# Altium PCB WunderBar_v102b _flip.PcbDoc (part 2 of 7) (continued)
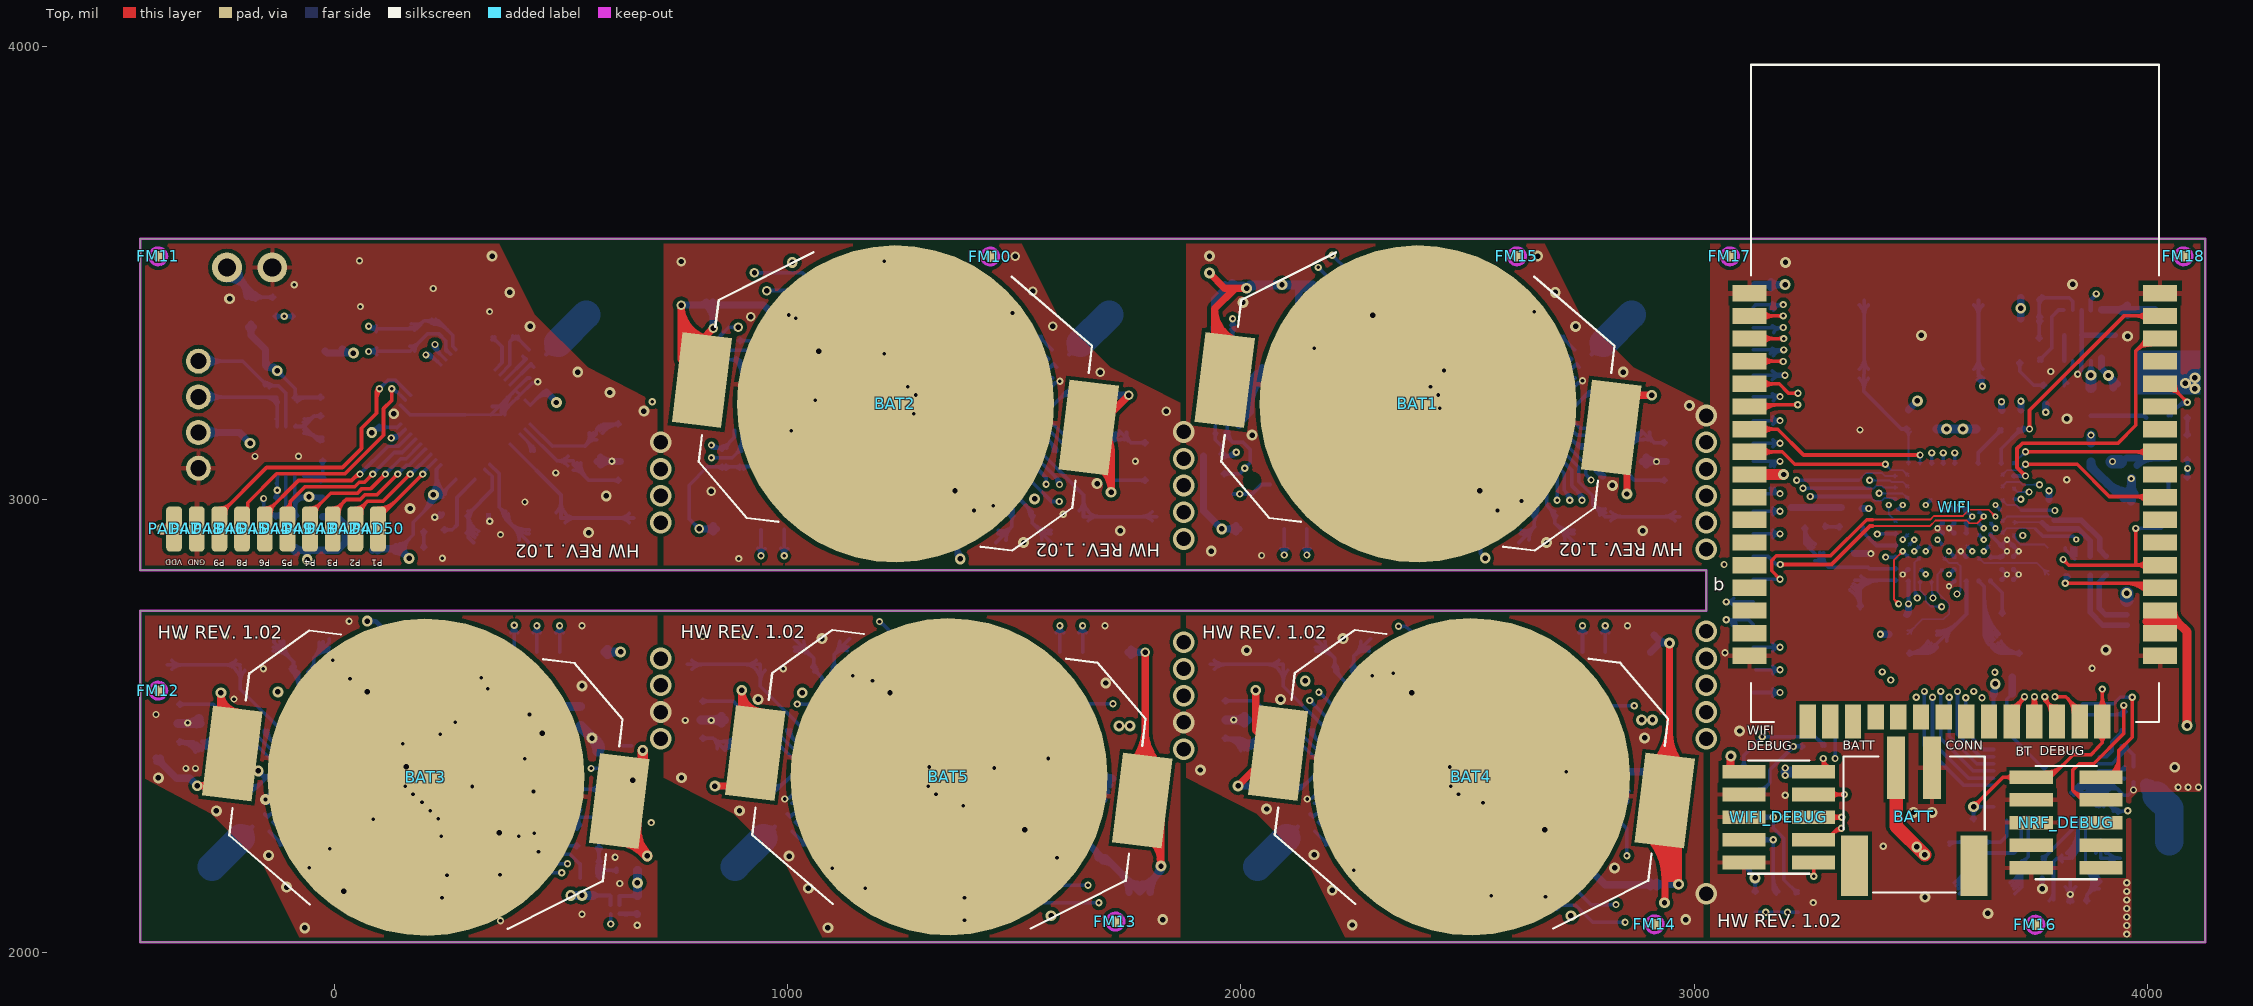
[diagram p0: Top view]
## Nets (pads, with @x,y where several pads share a name; then routed paths per layer and width w, separated by ;. In a path a pad name is that pad's centre, name@x,y a point inside that pad or via, vN(x,y) a via of type N, cw(c..) or ccw(c..) an arc to the next point about the centre after c; other vN are vias at no path point) (continued)
  Bottom w4: U1.H10@3472.86,2898.84 v3(3485.66,2911.63) ; U1.H10@3472.86,2903.84 ccw(c3472.86,2915.91) 3481.39,2907.38 ccw(c3489.93,2898.84) U1.H10@3477.86,2898.84 ; U1.H10@3475.21,2903.81 ccw(c3469.65,2913.43) v3@3480.69,2912.19 ; U1.H10@3477.1,2903.08 cw(c3485.66,2894.52) v3@3485.66,2906.63 ; U1.H10@3477.14,2903.12 ccw(c3468.63,2911.63) v3@3480.66,2911.63 ; U1.H10@3477.81,2901.18 cw(c3487.42,2895.64) v3@3486.21,2906.66 ; 3479.22,2906.12 cw(c3482.61,2900.24) v3@3484.37,2906.8 ; 3480.16,2905.25 ccw(c3474.35,2908.6) v3@3480.83,2910.34
  Bottom w8: v1@3505.17,2574.17 cw(c3498.34,2567.34) 3508,2567.34 cw(c3517.66,2567.34) v1@3510.83,2574.17 ; v1(3508,2577) 3508,2457 3595.52,2369.48 BT.4@3660.38,2369.48
BT_SPI_MOSI: BT.5 U1.J10 | length 809.3
  Top w4: v1@3445,2770.1 ccw(c3431.34,2770.34) 3441,2780 ; v1@3450.9,2776 cw(c3450.66,2789.66) 3441,2780 ; v1(3451,2770) 3441,2780 ; v3@3455.01,2886.12 cw(c3442.94,2886.12) 3451.48,2877.58 cw(c3460.01,2869.05) v3@3460.01,2881.12 ; v3(3460.01,2886.12) 3441,2867.11 3441,2780
  Route2 w8: v1(3451,2770) 3451,2764 3526,2689 v1(3526,2564) ; v1@3455,2770 ccw(c3479.14,2770) 3462.07,2752.93 ; v1@3523.17,2566.83 ccw(c3516.34,2573.66) 3526,2573.66 ccw(c3535.66,2573.66) v1@3528.83,2566.83
  Bottom w4: v3@3459.44,2881.15 cw(c3458.13,2869.96) U1.J10@3467.89,2875.59 ; v3@3460.01,2881.12 cw(c3460.01,2869.1) U1.J10@3468.51,2877.6 ; v3(3460.01,2886.12) U1.J10@3472.86,2873.24 ; v3@3461.31,2881.29 cw(c3463.01,2874.93) 3466.3,2880.63 ; v3@3464.31,2881.8 cw(c3455.74,2873.24) U1.J10@3467.86,2873.24 ; v3@3464.35,2881.76 ccw(c3472.86,2890.26) U1.J10@3472.86,2878.24 ; v3@3464.84,2884.83 ccw(c3471.36,2883.08) 3465.52,2879.71 ; v3@3465.01,2886.12 ccw(c3477.14,2886.12) U1.J10@3468.57,2877.54 ; v3@3464.98,2886.68 ccw(c3476.18,2887.94) U1.J10@3470.55,2878.18
  Bottom w8: v1@3523.17,2561.17 cw(c3516.34,2554.34) 3526,2554.34 cw(c3535.66,2554.34) v1@3528.83,2561.17 ; v1(3526,2564) 3526,2465 3605.52,2385.48 BT.5@3660.38,2385.48
BT_SPI_SCK: BT.9 U1.L9 | length 586
  Route2 w8: v1@3542,2764 ccw(c3554.07,2764) 3545.54,2755.46 ; v1@3543.32,2761.03 cw(c3537.88,2755) 3546,2755 ; v1(3546,2764) 3546,2755 ; v1@3548.68,2761.03 ccw(c3554.12,2755) 3546,2755 ; v1@3550,2764 ccw(c3581.38,2764) 3559.19,2741.81 ; v1@3596.17,2565.84 ccw(c3589.34,2572.67) 3599,2572.67 ccw(c3608.66,2572.67) v1@3601.83,2565.84 ; v1(3599,2563.01) 3599,2702 3546,2755
  Bottom w4: U1.L9@3494.92,2818.54 cw(c3486.38,2810) 3498.45,2810 cw(c3510.53,2810) U1.L9@3501.99,2818.54 ; U1.L9@3498.45,2822.07 3498.45,2799.55 3511,2787 3511,2776 3523,2764 v1(3546,2764) ; v1@3541.76,2759.76 ccw(c3531.51,2749.51) 3531.51,2764 ccw(c3531.51,2778.49) v1@3541.76,2768.24
  Bottom w8: v1@3596.17,2560.18 cw(c3589.34,2553.35) 3599,2553.35 cw(c3608.66,2553.35) v1@3601.83,2560.18 ; v1(3599,2563.01) 3599,2489 3639.15,2448.85 BT.9@3660.38,2448.85
BT_SPI_SSEL: BT.7 U1.K9 | length 636.7
  Route2 w4: v3@3507.27,2831.82 cw(c3498.26,2822.81) 3511,2822.81 ; 3511,2774 v3@3511,2835.1 ; 3511,2823.76 cw(c3522.4,2823.76) v3@3514.34,2831.82
  Route2 w8: 3511,2774 3511,2744.33 3562.77,2692.57 v1(3562.77,2564) ; v1@3559.94,2566.83 ccw(c3553.11,2573.66) 3562.77,2573.66 ccw(c3572.42,2573.66) v1@3565.59,2566.83
  Bottom w4: U1.K9@3498.45,2842.65 cw(c3498.45,2830.57) 3506.99,2839.11 cw(c3515.53,2847.65) U1.K9@3503.45,2847.65 ; U1.K9@3498.45,2847.65 v3@3511,2835.1 ; U1.K9@3500.91,2842.62 cw(c3495.95,2834.04) v3@3505.82,2834.92 ; U1.K9@3502.16,2843.94 ccw(c3510.8,2852.58) v3@3510.8,2840.36 ; U1.K9@3502.31,2843.79 cw(c3493.88,2835.36) v3@3505.8,2835.36 ; U1.K9@3503.45,2845.23 ccw(c3511.98,2850.16) v3@3511.2,2840.34 ; 3503.83,2840.93 ccw(c3507.57,2847.42) v3@3509.51,2840.19 ; 3505.26,2842.12 cw(c3499.02,2838.52) v3@3505.97,2836.65
  Bottom w8: v1@3559.94,2561.17 cw(c3553.11,2554.34) 3562.77,2554.34 cw(c3572.42,2554.34) v1@3565.59,2561.17 ; v1(3562.77,2564) 3562.77,2478.23 3623.65,2417.35 BT.7@3660.38,2417.35
  other v3: 3510.8,2835.36
BT_SWDCLK: BT1.24 BT2.24 BT3.24 BT4.24 BT5.24 BT6.24 BT.24 DEBUG1.4 DEBUG2.4 DEBUG3.4 DEBUG4.4 DEBUG5.4 DEBUG6.4 NRF_DEBUG.4 R31.2 R32.2 R33.2 R34.2 R35.2 R36.2 R37.2 U1.D8 | length 17017.4
  Top w8: 3847.4,2346.6 ccw(c3862.5,2361.71) NRF_DEBUG.4@3864.71,2340.46 ; NRF_DEBUG.4@3861.52,2337.48 3860.52,2338.48 3855.52,2338.48 3835.52,2358.48 ; NRF_DEBUG.4@3863.88,2348.42 cw(c3860.26,2383.22) 3835.52,2358.48 ; v1@3945.17,2543.17 cw(c3938.34,2536.34) 3948,2536.34 cw(c3957.66,2536.34) v1@3950.83,2543.17 ; v1(3948,2546) 3948,2484 3881.48,2417.48 3849.52,2417.48 3835.52,2403.48 3835.52,2358.48
  Route2 w4: 3391,2815 3445.11,2869.11 3445.11,2922.29 v3(3511.23,2988.41) ; v3@3506.23,2988.41 cw(c3494.16,2988.41) 3502.7,2979.88 cw(c3511.23,2971.34) v3@3511.23,2983.41
  Route2 w8: v4(3026.52,2531.48) 3079.52,2531.48 3107.52,2559.48 3107.52,2815.48 v1(3066,2857) ; v4@3032.53,2525.47 cw(c3047.04,2510.96) 3047.04,2531.48 cw(c3047.04,2552) v4@3032.53,2537.49 ; v4@3038.19,2519.81 cw(c3066.35,2491.65) 3066.35,2531.48 cw(c3066.35,2571.31) v4@3038.19,2543.15 ; v1@3066,2853 cw(c3066,2843.34) 3072.83,2850.17 cw(c3079.66,2857) v1@3070,2857 ; 3391,2815 3391,2698 3415,2674 v1(3415,2620) ; v1@3412.17,2622.83 ccw(c3405.34,2629.66) 3415,2629.66 ccw(c3424.66,2629.66) v1@3417.83,2622.83
  Route15 w8: v1(75,3382.48) 94.52,3402 269,3402 662.52,3008.48 v4(719.52,3008.48) v4@741.52,3008.48 ; v1@75,3386.48 ccw(c75,3396.14) 81.83,3389.31 ccw(c88.66,3382.48) v1@79,3382.48 ; v1(501,2177) 521,2177 615,2271 615,2507.96 v4@697.52,2590.48 ; v1@503.83,2174.17 cw(c510.66,2167.34) 510.66,2177 cw(c510.66,2186.66) v1@503.83,2179.83 ; 653.8,2546.76 cw(c719.52,2481.03) v4@719.52,2573.98 ; 667.45,2560.41 cw(c719.52,2508.35) v4@719.52,2581.98 ; 681.11,2574.07 cw(c719.52,2535.66) v4@719.52,2589.98 ; 694.77,2587.73 cw(c719.52,2562.97) v4@719.52,2597.98 ; v4@703.68,2585.86 ccw(c697.52,2584.06) v4@697.52,2590.48 ; v4@703.68,2595.1 cw(c697.52,2596.9) v4@697.52,2590.48 ; v4@707.85,2996.81 ccw(c679.69,2968.65) 679.69,3008.48 ccw(c679.69,3048.31) v4@707.85,3020.15 ; v4@713.51,3002.47 ccw(c699,2987.96) 699,3008.48 ccw(c699,3029) v4@713.51,3014.49 ; v4@719.03,3001 ccw(c721.08,3032.06) v4@743.09,3010.05 ; v4@719.55,3008.98 ccw(c722.62,3055.46) 755.56,3022.52 ; v4@720.08,3016.96 ccw(c724.17,3078.87) 768.04,3035 ; v4@720.61,3024.94 ccw(c725.71,3102.28) 780.52,3047.48 ; v4@725.53,2584.47 cw(c740.04,2569.96) 740.04,2590.48 cw(c740.04,2611) v4@725.53,2596.49 ; v4@731.19,2578.81 cw(c759.35,2550.65) 759.35,2590.48 cw(c759.35,2630.31) v4@731.19,2602.15 ; v4@735.36,3003.86 cw(c741.52,3002.06) v4@741.52,3008.48 ; v4@735.36,3013.1 ccw(c741.52,3014.9) v4@741.52,3008.48 ; v6@921.92,3495.88 ccw(c910.83,3484.79) 910.83,3500.48 ccw(c910.83,3516.17) v6@921.92,3505.08 ; v6@931.12,3495.88 cw(c942.21,3484.79) 942.21,3500.48 cw(c942.21,3516.17) v6@931.12,3505.08 ; v1@1683.69,2107.65 ccw(c1676.86,2100.82) 1676.86,2110.48 ccw(c1676.86,2120.14) v1@1683.69,2113.31 ; v1@1686.52,2114.48 ccw(c1686.52,2124.14) 1693.35,2117.31 ccw(c1700.18,2110.48) v1@1690.52,2110.48 ; 1831.36,2547.32 cw(c1862.39,2516.3) v4@1871.71,2559.17 ; 1841.72,2557.68 cw(c1866.09,2533.32) v4@1873.41,2566.99 ; v4@1852.09,2568.05 cw(c1869.79,2550.34) v4@1875.11,2574.81 ; v4@1857.68,2562.86 ccw(c1851.52,2561.06) v4@1851.52,2567.48 ; v4@1857.68,2572.1 cw(c1851.52,2573.9) v4@1851.52,2567.48 ; v4@1861.85,3019.81 ccw(c1833.69,2991.65) 1833.69,3031.48 ccw(c1833.69,3071.31) v4@1861.85,3043.15 ; v4@1867.51,3025.47 ccw(c1853,3010.96) 1853,3031.48 ccw(c1853,3052) v4@1867.51,3037.49 ; v4@1870.01,2551.36 ccw(c1858.69,2499.27) 1821,2536.96 ; v4@1873.65,3031.96 ccw(c1881.43,3061.27) 1902.87,3039.83 ; v4@1875.7,3039.7 ccw(c1885.55,3076.8) 1912.69,3049.65 ; v4@1877.75,3047.43 ccw(c1889.67,3092.33) 1922.52,3059.48 ; v4@1879.53,2561.47 cw(c1894.04,2546.96) 1894.04,2567.48 cw(c1894.04,2588) v4@1879.53,2573.49 ; v4@1885.19,2555.81 cw(c1913.35,2527.65) 1913.35,2567.48 cw(c1913.35,2607.31) v4@1885.19,2579.15 ; v4@1889.55,3027.58 cw(c1894.52,3026.37) v4@1894.52,3031.48 ; v4@1889.55,3035.38 ccw(c1894.52,3036.59) v4@1894.52,3031.48 ; v1@2198.69,3536.65 ccw(c2191.86,3529.82) 2191.86,3539.48 ccw(c2191.86,3549.14) v1@2198.69,3542.31 ; v1@2204.35,3536.65 cw(c2211.18,3529.82) 2211.18,3539.48 cw(c2211.18,3549.14) v1@2204.35,3542.31 ; v1@2844.69,2064.65 ccw(c2837.86,2057.82) 2837.86,2067.48 ccw(c2837.86,2077.14) 2844.69,2070.31 ccw(c2828.21,2086.79) 2851.52,2086.79 ; 2968.63,3060 ccw(c2968.63,3125.37) v4@3014.85,3079.15 ; 2987.94,3060 ccw(c2987.94,3106.06) v4@3020.51,3073.49 ; 2990.37,2517.33 cw(c3011.46,2496.23) v4@3023.18,2523.66 ; 2998.73,2525.69 cw(c3016.47,2507.96) v4@3026.32,2531.02 ; v4@3004.74,3060 cw(c3004.74,3045.7) v4@3014.85,3055.81 ; v4@3007.25,3060 ccw(c3007.25,3086.75) v4@3026.17,3067.83 ; v4@3010.68,2526.86 ccw(c3004.52,2525.06) v4@3004.52,2531.48 ; v4@3010.68,2536.1 cw(c3004.52,2537.9) v4@3004.52,2531.48 ; v4@3020.04,2516.31 ccw(c3006.45,2484.51) 2982,2508.96 ; v4(3026.52,3067.48) 3019.04,3060 2906,3060 2426.52,3539.48 v1(2201.52,3539.48) 2004.52,3539.48 1922.52,3457.48 1922.52,3059.48 ; v4@3028.36,3059.18 cw(c3034.77,3030.29) 3055.69,3051.22 ; v4@3030.09,3051.37 cw(c3038.51,3013.42) 3066,3040.91 ; v4@3032.53,2525.47 cw(c3047.04,2510.96) 3047.04,2531.48 cw(c3047.04,2552) v4@3032.53,2537.49 ; v4@3038.19,2519.81 cw(c3066.35,2491.65) 3066.35,2531.48 cw(c3066.35,2571.31) v4@3038.19,2543.15 ; v4@3039.43,3067.48 3066,3040.91 ; v1@3063.17,2859.83 ccw(c3056.34,2866.66) 3066,2866.66 ccw(c3075.66,2866.66) v1@3068.83,2859.83 ; v1(3066,2857) 3066,3040.91 ; v1@3412.17,2617.17 ccw(c3405.34,2610.34) 3405.34,2620 ccw(c3405.34,2629.66) v1@3412.17,2622.83 ; v1@3417.83,2617.17 cw(c3424.66,2610.34) 3424.66,2620 cw(c3424.66,2629.66) v1@3417.83,2622.83 ; 3609,2615 3678,2546 v1(3948,2546) ; 3609,2620 3265,2620 3176.48,2531.48 v4(3026.52,2531.48) v4@3004.52,2531.48 ; v1@3945.17,2543.17 ccw(c3938.34,2536.34) 3938.34,2546 ccw(c3938.34,2555.66) v1@3945.17,2548.83 ; v4@697.52,2590.48 v4(719.52,2590.48) 793.52,2590.48 1222.52,2161.48 1599.52,2161.48 1650.52,2110.48 v1(1686.52,2110.48) 1821,2244.96 1821,2536.96 ; v4@741.52,3008.48 780.52,3047.48 ; 780.52,3047.48 780.52,3386.48 894.52,3500.48 v6(926.52,3500.48) 961.52,3500.48 1004.52,3457.48 1355.52,3457.48 1780.52,3031.48 v4(1873.52,3031.48) v4@1894.52,3031.48 ; 1821,2536.96 v4@1851.52,2567.48 ; v4@1851.52,2567.48 v4(1873.52,2567.48) 1965.52,2567.48 2427,2106 2789,2106 2827.52,2067.48 v1(2847.52,2067.48) 2851.52,2071.48 2851.52,2106.48 2982,2236.96 2982,2508.96 ; v4@1894.52,3031.48 1922.52,3059.48 ; 2982,2508.96 v4@3004.52,2531.48
  Bottom w4: v3@3510.68,2993.38 ccw(c3509.46,3004.42) U1.D8@3519.08,2998.87 ; v3(3511.23,2988.41) U1.D8@3524.04,3001.2 ; v3@3511.23,2993.41 ccw(c3511.23,3005.48) 3519.77,2996.95 ccw(c3528.3,2988.41) v3@3516.23,2988.41 ; v3@3512.53,2993.24 ccw(c3514.28,2999.78) 3517.67,2993.92 ; v3@3515.47,2992.65 cw(c3524.04,2984.08) U1.D8@3524.04,2996.2 ; v3@3515.51,2992.69 ccw(c3507.01,3001.2) U1.D8@3519.04,3001.2 ; v3@3516.06,2989.7 cw(c3522.55,2991.44) 3516.73,2994.8 ; v3@3516.2,2987.86 cw(c3527.22,2986.63) U1.D8@3521.68,2996.23
  Bottom w8: BT6.24@17.13,2267.84 BT6.24@20,2264.96 ; BT6.24@17.48,2267.48 BT6.24@20,2264.96 ; 48.66,2236.3 ccw(c67.5,2255.15) R36.2@67.5,2228.5 ; R36.2@67.5,2221.5 141.5,2221.5 150.5,2212.5 193.5,2212.5 224.5,2181.5 224.5,2157.5 235.5,2146.5 389.5,2146.5 420,2177 v1(501,2177) ; R36.2@67.5,2222.5 62.46,2222.5 BT6.24@20,2264.96 ; R36.2@71.75,2218.26 cw(c79.57,2210.43) 79.57,2221.5 ; R36.2@71.75,2226.74 ccw(c84.4,2239.4) 84.4,2221.5 ; v1(75,3382.48) v1@80,3377.48 ; v1@77.83,3385.31 ccw(c96.73,3404.21) DEBUG3.4@96.73,3377.48 ; 88.43,2221.5 cw(c88.43,2194.91) DEBUG6.4@107.23,2213.71 ; 88.48,2221.5 ccw(c88.48,2248.02) DEBUG6.4@107.23,2229.27 ; DEBUG3.4@91.98,3371.21 ccw(c80,3362.9) v1@80,3377.48 ; DEBUG3.4@91.98,3383.75 cw(c80,3392.06) v1@80,3377.48 ; DEBUG3.4@166.98,3380.32 ccw(c173.87,3400.6) 189.46,3385.92 ; DEBUG3.4@169.56,3387.9 ccw(c178.27,3413.54) 197.99,3394.98 ; DEBUG3.4@176.4,3373.85 cw(c181.52,3372.06) 181.52,3377.48 ; DEBUG3.4@176.4,3381.11 ccw(c181.52,3382.9) 181.52,3377.48 ; DEBUG6.4@180.01,2210.49 cw(c180.01,2173.07) 206.47,2199.53 ; DEBUG6.4@180.01,2218.49 cw(c180.01,2200.38) DEBUG6.4@192.81,2213.19 ; DEBUG6.4@191.01,2221.49 ccw(c206.7,2221.49) 195.61,2210.39 ; 201.62,3394.48 cw(c201.62,3376.58) R33.2@214.28,3389.24 ; 206.45,3394.48 ccw(c206.45,3405.55) R33.2@214.28,3397.72 ; R33.2@218.42,3387.48 cw(c217.73,3343.65) 249.21,3374.15 ; R33.2@218.55,3395.48 cw(c218.16,3370.96) 235.77,3388.02 ; R33.2@223.04,3397.43 ccw(c229.52,3403.08) 229.52,3394.48 ; R33.2@223.96,3390.94 cw(c229.52,3388.34) 229.52,3394.48 ; BT3.24@267.52,3331.48 260.52,3338.48 260.52,3362.48 229.52,3394.48 ; v1@498.17,2174.17 ccw(c491.34,2167.34) 491.34,2177 ccw(c491.34,2186.66) v1@498.17,2179.83 ; v6(926.52,3500.48) 1032.52,3500.48 1080.52,3452.48 1198.52,3452.48 1213.52,3437.48 1213.52,3417.48 1253.52,3377.48 DEBUG2.4@1290.52,3377.48 R35.2@1371.52,3377.48 1375.52,3377.48 BT2.24@1421.52,3331.48 ; v6@931.12,3495.88 cw(c942.21,3484.79) 942.21,3500.48 cw(c942.21,3516.17) v6@931.12,3505.08 ; BT5.24@1171.52,2267.48 1217.52,2221.48 1338.52,2221.48 1378.52,2181.48 1378.52,2169.48 1401.52,2146.48 1508.52,2146.48 1544.52,2110.48 v1(1686.52,2110.48) ; 1202.74,2236.26 ccw(c1221.52,2255.04) R37.2@1221.52,2228.48 ; R37.2@1225.76,2218.24 cw(c1233.59,2210.41) 1233.59,2221.48 ; R37.2@1225.76,2226.72 ccw(c1238.42,2239.38) 1238.42,2221.48 ; 1231.56,3399.44 ccw(c1258.02,3425.9) DEBUG2.4@1258.02,3388.48 ; 1242.42,3388.58 cw(c1231.33,3377.48) DEBUG2.4@1247.02,3377.48 ; DEBUG2.4@1245.22,3385.78 ccw(c1258.02,3398.59) DEBUG2.4@1258.02,3380.48 ; DEBUG5.4@1261.24,2213.7 ccw(c1242.46,2194.92) 1242.46,2221.48 ccw(c1242.46,2248.04) DEBUG5.4@1261.24,2229.26 ; DEBUG2.4@1330.8,3369.7 cw(c1349.58,3350.92) 1349.58,3377.48 cw(c1349.58,3404.04) DEBUG2.4@1330.8,3385.26 ; DEBUG5.4@1334.02,2210.48 cw(c1334.02,2173.06) 1360.48,2199.52 ; DEBUG5.4@1334.02,2218.48 cw(c1334.02,2200.37) DEBUG5.4@1346.82,2213.18 ; DEBUG5.4@1345.02,2221.48 ccw(c1360.71,2221.48) 1349.62,2210.38 ; R35.2@1367.28,3373.24 ccw(c1357.03,3362.99) 1357.03,3377.48 ccw(c1357.03,3391.97) R35.2@1367.28,3381.72 ; R35.2@1371.52,3371.48 cw(c1371.52,3347.34) 1388.59,3364.41 ; v1@1683.69,2107.65 ccw(c1676.86,2100.82) 1676.86,2110.48 ccw(c1676.86,2120.14) v1@1683.69,2113.31 ; v1(2201.52,3539.48) 2235.52,3506.48 2357.52,3506.48 2378.52,3484.48 2378.52,3405.48 2403.52,3381.48 2520.52,3381.48 R32.2@2524.52,3377.48 2528.52,3377.48 BT1.24@2574.52,3331.48 ; v1@2201.58,3535.48 cw(c2201.72,3525.82) 2208.45,3532.75 cw(c2215.18,3539.68) v1@2205.52,3539.54 ; BT4.24@2324.52,2267.48 2370.52,2221.48 DEBUG4.4@2455.52,2221.48 2464.52,2212.48 2501.52,2212.48 2532.52,2181.48 2532.52,2118.48 2554.5,2096.5 2697.5,2096.5 2706,2105 2739,2105 2776.52,2067.48 v1(2847.52,2067.48) ; 2355.03,2236.97 ccw(c2375.52,2257.45) R34.2@2375.52,2228.48 ; 2378.69,3405.31 ccw(c2410.63,3438.58) DEBUG1.4@2411.75,3392.48 ; R34.2@2379.76,2218.24 cw(c2387.59,2210.41) 2387.59,2221.48 ; R34.2@2379.76,2226.72 ccw(c2392.42,2239.38) 2392.42,2221.48 ; 2392.55,3392.01 ccw(c2411.29,3411.53) DEBUG1.4@2411.95,3384.48 ; DEBUG4.4@2415.24,2213.7 ccw(c2396.46,2194.92) 2396.46,2221.48 ccw(c2396.46,2248.04) DEBUG4.4@2415.24,2229.26 ; DEBUG1.4@2484.8,3373.7 cw(c2503.58,3354.92) 2503.58,3381.48 cw(c2503.58,3408.04) DEBUG1.4@2484.8,3389.26 ; DEBUG4.4@2488.02,2210.48 cw(c2488.02,2173.06) 2514.48,2199.52 ; DEBUG4.4@2488.02,2218.48 cw(c2488.02,2200.37) DEBUG4.4@2500.82,2213.18 ; DEBUG4.4@2499.02,2221.48 ccw(c2514.71,2221.48) 2503.62,2210.38 ; 2500.38,3381.48 cw(c2500.38,3353.34) R32.2@2520.28,3373.24 ; R32.2@2524.52,3371.48 cw(c2524.52,3347.34) 2541.59,3364.41 ; v1@2844.69,2064.65 ccw(c2837.86,2057.82) 2837.86,2067.48 ccw(c2837.86,2077.14) v1@2844.69,2070.31 ; BT.24@3863.52,2525.62 3946.66,2525.62 R31.2@3948.52,2527.48 3948,2528 v1(3948,2546) ; 3929.55,2525.62 ccw(c3929.55,2546.45) 3944.28,2531.72 ccw(c3935.29,2540.71) v1@3948,2540.71 ; R31.2@3938.52,2525.62 cw(c3938.52,2517.48) R31.2@3944.28,2523.24 ; v1@3945.17,2543.17 cw(c3938.34,2536.34) 3948,2536.34 cw(c3957.66,2536.34) v1@3950.83,2543.17 ; v1@3945.17,2543.18 cw(c3940.37,2538.4) R31.2@3946.91,2536.65 ; v1@3948,2543.22 ccw(c3964.26,2543.22) R31.2@3952.76,2531.72 ; R31.2@3949.86,2536.29 cw(c3958.21,2538.53) v1@3951.23,2543.64 ; v1@80,3377.48 181.52,3377.48 ; 181.52,3377.48 197.52,3394.48 229.52,3394.48
BT_SWDIO: BT.23 NRF_DEBUG.2 U1.H5 | length 1271.3
  Top w8: NRF_DEBUG.2@3861.52,2387.48 NRF_DEBUG.2@3876.52,2387.48 ; 3927.73,2404.77 ccw(c3937.11,2399.35) NRF_DEBUG.2@3931.56,2390.06 ; 3931.79,2411.8 ccw(c3941.27,2406.32) NRF_DEBUG.2@3935.66,2396.92 ; NRF_DEBUG.2@3936.52,2392.48 3936.52,2445.48 3966.52,2475.48 v1(3966.52,2564) ; v1@3963.69,2561.17 cw(c3956.86,2554.34) 3966.52,2554.34 cw(c3976.18,2554.34) v1@3969.35,2561.17 ; NRF_DEBUG.2@3922.24,2395.26 ccw(c3887.77,2429.73) 3936.52,2429.73 cw(c3887.77,2429.73) NRF_DEBUG.2@3922.24,2395.26 ; NRF_DEBUG.2@3927.9,2389.6 ccw(c3907.08,2410.42) 3936.52,2410.42 cw(c3907.08,2410.42) NRF_DEBUG.2@3927.9,2389.6
  Route2 w4: v3@3610.07,2882.54 cw(c3601.54,2874) 3613.61,2874 cw(c3625.68,2874) v3@3617.15,2882.54 ; 3613.61,2783.77 v3(3613.61,2886.07)
  Route2 w8: 3613.61,2783.77 3613.61,2746.39 3653,2707 3653,2630 v1(3663.52,2619.48)
  Route15 w8: v1(3663.52,2619.48) 3669.52,2619.48 3706,2583 3804,2583 3823,2564 v1(3966.52,2564) ; v1@3963.69,2561.17 ccw(c3956.86,2554.34) 3956.86,2564 ccw(c3956.86,2573.66) v1@3963.69,2566.83
  Bottom w4: U1.H5@3600.82,2893.86 cw(c3600.82,2881.79) 3609.36,2890.32 cw(c3617.9,2898.86) U1.H5@3605.82,2898.86 ; U1.H5@3600.82,2898.86 v3(3613.61,2886.07) ; U1.H5@3603.17,2893.9 cw(c3597.63,2884.31) v3@3608.64,2885.52 ; U1.H5@3605.79,2896.51 ccw(c3615.38,2902.05) v3@3614.16,2891.04 ; 3607.19,2891.58 ccw(c3610.57,2897.43) v3@3612.32,2890.9 ; 3608.1,2892.5 cw(c3602.25,2889.12) v3@3608.78,2887.37 ; v3@3608.61,2886.07 ccw(c3596.54,2886.07) 3605.07,2894.61 ccw(c3613.61,2903.14) v3@3613.61,2891.07
  Bottom w8: BT.23@3847.52,2525.48 3847.52,2539.52 3858,2550 3926,2550 3940,2564 v1(3966.52,2564) ; BT.23@3847.52,2535.62 cw(c3856.93,2535.62) 3850.28,2542.28 ; v1@3963.69,2561.17 ccw(c3956.86,2554.34) 3956.86,2564 ccw(c3956.86,2573.66) v1@3963.69,2566.83
BT_XL1: BT.46 C103.2 X7.1 | length 440.6
  Bottom w8: X7.1@3574.27,2154.9 ccw(c3549.02,2197.48) C103.2@3598.52,2197.48 ; X7.1@3578.35,2148.02 ccw(c3557.35,2183.43) 3598.52,2183.43 ; X7.1@3582.43,2141.14 ccw(c3565.68,2169.38) 3598.52,2169.38 ; X7.1@3585.5,2130.48 3598.52,2143.48 C103.2@3598.52,2197.48 ; C103.2@3594.28,2193.24 cw(c3584.03,2182.99) 3598.52,2182.99 cw(c3613.01,2182.99) C103.2@3602.76,2193.24 ; C103.2@3598.65,2203.48 ccw(c3598.96,2217.96) 3608.98,2207.5 ccw(c3619,2197.04) C103.2@3604.52,2197.35 ; BT.46@3721.4,2292.48 3721.4,2236.36 3705.52,2220.48 3622.52,2220.48 C103.2@3598.52,2197.48
BT_XL2: BT.45 C102.2 X7.2 | length 349.6
  Bottom w8: X7.2@3697.75,2155.16 ccw(c3673.99,2197.48) C102.2@3722.52,2197.48 ; X7.2@3701.67,2148.19 ccw(c3681.66,2183.81) 3722.52,2183.81 ; X7.2@3705.58,2141.21 ccw(c3689.34,2170.15) 3722.52,2170.15 ; X7.2@3707.52,2130.48 3722.52,2145.48 C102.2@3722.52,2197.48 ; C102.2@3718.28,2193.24 cw(c3708.03,2182.99) 3722.52,2182.99 cw(c3737.01,2182.99) C102.2@3726.76,2193.24 ; C102.2@3722.52,2203.48 ccw(c3722.52,2217.97) 3732.76,2207.72 ccw(c3743.01,2197.48) C102.2@3728.52,2197.48 ; BT.45@3737.15,2292.48 3737.15,2212.11 C102.2@3722.52,2197.48
CHARGE_FB: C11.2 PWR1.7 R1.2 R2.1 | length 303.6
  Bottom w8: R1.2@3756.76,3356.2 ccw(c3745.26,3367.7) 3761.52,3367.7 ; R2.1@3757.95,3394.24 cw(c3749.32,3385.61) 3761.52,3385.61 ; R2.1@3757.95,3402.72 ccw(c3749.32,3411.35) 3761.52,3411.35 ; C11.2@3758.28,3441.24 cw(c3750.45,3433.41) 3761.52,3433.41 ; R1.2@3761.52,3351.96 3761.52,3398.48 3761.52,3445.48 3827.52,3445.48 3835.52,3437.48 PWR1.7@3835.52,3418.48 ; 3761.52,3365.19 ccw(c3774.23,3365.19) R1.2@3765.24,3356.2 ; 3761.52,3382.38 cw(c3778.29,3382.38) R2.1@3766.43,3394.24 ; 3761.52,3414.58 ccw(c3778.29,3414.58) R2.1@3766.43,3402.72 ; 3761.52,3428.58 cw(c3779.42,3428.58) 3766.76,3441.24 cw(c3777.01,3430.99) 3777.01,3445.48 cw(c3777.01,3459.97) C11.2@3766.76,3449.72
CHARGE_LED: LED1.K PWR1.6 | length 164.9
  Bottom w8: LED1.K@3760.29,3305.92 3789.38,3335.01 3789.38,3403.84 3804.02,3418.48 PWR1.6@3815.52,3418.48 ; LED1.K@3760.29,3311.92 ccw(c3760.29,3326.41) 3770.53,3316.16 ccw(c3780.78,3305.92) LED1.K@3766.29,3305.92
CHARGE_LED2: LED1.A R4.1 | length 137.7
  Bottom w8: LED1.A@3714.38,3301.68 cw(c3704.14,3291.44) 3718.62,3291.44 cw(c3733.11,3291.44) LED1.A@3722.86,3301.68 ; LED1.A@3718.62,3305.92 3718.62,3283.38 3749.52,3252.48 R4.1@3775.52,3252.48 ; R4.1@3771.28,3248.24 ccw(c3761.03,3237.99) 3761.03,3252.48 ccw(c3761.03,3266.97) R4.1@3771.28,3256.72
CHARGE_PROG: PWR1.4 R3.2 | length 93.9
  Bottom w8: R3.2@3816.5,3251.5 3816.5,3273.5 ; R3.2@3823.65,3256.83 cw(c3839.5,3273.5) 3816.5,3273.5 ; 3830.21,3287.21 ccw(c3819.06,3298.37) PWR1.4@3834.83,3298.37 ; PWR1.4@3835.52,3306.48 3835.52,3292.52 3816.5,3273.5
CHARGE_SW: L1.1 PWR1.10 | length 178.2
  Bottom w16: PWR1.10@3899,3419 L1.1@4016.52,3419 ; 3927.04,3419 cw(c3927.04,3377.76) L1.1@3956.21,3406.92 ; 3930.74,3419 ccw(c3930.74,3455.01) L1.1@3956.21,3429.55
CONVERTER_EN: BT6.17 R65.1 U3.8 | length 639.2
  Route2 w8: v5(211,2314) 423,2526 v5(430,2526) ; v5@211,2318 ccw(c211,2327.66) 217.83,2320.83 ccw(c224.66,2314) v5@215,2314 ; 411.22,2514.22 cw(c430,2495.44) v5@430,2522
  Bottom w8: BT6.17@95.35,2346.06 127.41,2314 v5(211,2314) ; 208.17,2311.17 ccw(c201.34,2304.34) 201.34,2314 ccw(c201.34,2323.66) 208.17,2316.83 ; U3.8@408,2553.08 ccw(c400.74,2560.33) 411,2560.33 ccw(c421.27,2560.33) U3.8@414.01,2553.08 ; 411,2564.35 cw(c435.73,2564.35) R65.1@418.25,2581.84 ; U3.8@414.01,2523.57 cw(c419.88,2517.7) 419.88,2526 ; U3.8@414.01,2529.58 ccw(c422.65,2538.22) 422.65,2526 ; R65.1@414,2586.08 411,2583.08 U3.8@411,2538.32 411,2531 416,2526 v5(430,2526) ; 419.72,2526.78 ccw(c421.7,2534.17) 427.15,2528.81 ; 427.17,2523.17 ccw(c420.34,2516.34) 420.34,2526 ccw(c420.34,2535.66) 427.17,2528.83
DEC1: BT.39 C12.1 | length 135.3
  Bottom w8: C12.1@3768.52,2206.48 3832.52,2270.48 BT.39@3832.52,2292.48 ; C12.1@3768.52,2212.15 ccw(c3768.52,2225.84) 3778.2,2216.16 ; C12.1@3774.52,2206.15 cw(c3789.8,2206.15) 3779,2216.96
DEC2: BT.29 C13.1 | length 127.2
  Bottom w8: BT.29@3893.52,2433.1 3910.14,2433.1 3922,2444.96 3922,2465.96 C13.1@3948.52,2492.48 ; BT.29@3903.52,2433.1 ccw(c3903.52,2449.09) 3914.82,2437.78 ; 3938.04,2482 cw(c3948.85,2471.2) C13.1@3948.85,2486.48 ; 3938.84,2482.8 ccw(c3929.16,2492.48) C13.1@3942.85,2492.48
DEC3: BT1.39 C20.1 | length 97.5
  Bottom w8: BT1.39@2716.52,3144.48 2746.52,3115.48 C20.1@2757.52,3115.48 ; 2729.62,3131.82 ccw(c2756.16,3159.27) C20.1@2756.8,3121.09 ; 2743.5,3118.4 ccw(c2756.62,3131.96) C20.1@2756.94,3113.1
DEC4: BT1.29 C21.1 | length 110.8
  Bottom w8: C21.1@2654.14,3352.86 cw(c2654.14,3335.97) 2666.08,3347.92 ; C21.1@2654.52,3359.48 2676.52,3337.48 2676.52,3302.48 BT1.29@2661.52,3286.48 ; C21.1@2660.14,3358.86 ccw(c2672.21,3358.86) 2663.67,3350.33
DEC5: BT2.39 C32.1 | length 85.6
  Bottom w8: BT2.39@1563.52,3144.48 1591.52,3115.48 C32.1@1591.52,3107.48 ; 1576.53,3131 cw(c1552.49,3107.79) C32.1@1585.91,3107.2 ; C32.1@1589.95,3117.11 cw(c1579.8,3107.31) C32.1@1593.9,3107.06
DEC6: BT2.29 C33.1 | length 110.8
  Bottom w8: C33.1@1500.52,3359.48 1522.52,3337.48 1522.52,3302.48 BT2.29@1507.52,3286.48 ; C33.1@1501.14,3352.86 cw(c1501.14,3338.38) 1511.38,3348.62 cw(c1521.62,3358.86) C33.1@1507.14,3358.86
DEC7: BT4.39 C44.1 | length 85.6
  Bottom w8: C44.1@2152.14,2491.9 ccw(c2166.24,2491.65) C44.1@2156.09,2481.85 ; C44.1@2154.52,2491.48 2154.52,2483.48 BT4.39@2182.52,2454.48 ; C44.1@2160.13,2491.76 ccw(c2193.55,2491.17) 2169.51,2467.96
DEC8: BT4.29 C45.1 | length 110.8
  Bottom w8: 2234.21,2251.3 ccw(c2246.41,2262.98) C45.1@2246.04,2246.09 ; 2236.56,2248.85 cw(c2227.82,2240.5) C45.1@2239.91,2240.23 ; BT4.29@2238.52,2312.48 2223.52,2297.48 2223.52,2262.48 C45.1@2245.52,2239.48
DEC9: BT5.39 C54.1 | length 86.9
  Bottom w8: C54.1@998.14,2491.86 ccw(c1012.62,2491.86) C54.1@1002.38,2481.62 ; C54.1@1000.52,2491.48 1000.52,2483.48 BT5.39@1029.52,2454.48 ; C54.1@1006.14,2491.86 ccw(c1039.93,2491.86) 1016.03,2467.97
DEC10: BT5.29 C55.1 | length 111.5
  Bottom w8: 1080.21,2251.3 ccw(c1092.41,2262.98) C55.1@1092.04,2246.09 ; 1082.56,2248.85 cw(c1073.82,2240.5) C55.1@1085.91,2240.23 ; BT5.29@1085.52,2312.48 1069.52,2297.48 1069.52,2262.48 C55.1@1091.52,2239.48
DEC11: BT3.39 C65.1 | length 86.9
  Bottom w8: BT3.39@409.52,3144.48 438.52,3115.48 C65.1@438.52,3107.48 ; 423,3131 cw(c399.11,3107.1) C65.1@432.9,3107.1 ; C65.1@436.66,3117.34 cw(c426.42,3107.1) C65.1@440.9,3107.1
DEC12: BT3.29 C66.1 | length 110.8
  Bottom w8: C66.1@347.14,3352.86 cw(c347.14,3335.97) 359.08,3347.92 ; C66.1@347.52,3359.48 369.52,3337.48 369.52,3302.48 BT3.29@354.52,3286.48 ; C66.1@353.14,3358.86 ccw(c365.21,3358.86) 356.67,3350.33
DEC13: BT6.39 C74.1 | length 98.8
  Bottom w8: C74.1@-155.49,2491.49 ccw(c-138.12,2491.49) -150.4,2479.2 ; C74.1@-153.49,2491.49 -153.49,2482.29 BT6.39@-125.81,2454.61 ; C74.1@-153.11,2483.11 C74.1@-153.11,2491.11 ; C74.1@-147.49,2491.49 ccw(c-110.8,2491.49) -136.74,2465.55
DEC14: BT6.29 C75.1 | length 110.8
  Bottom w8: -72.79,2251.3 ccw(c-60.59,2262.98) C75.1@-60.96,2246.09 ; -70.44,2248.85 cw(c-79.18,2240.5) C75.1@-67.09,2240.23 ; BT6.29@-68.48,2312.48 -83.48,2297.48 -83.48,2262.48 C75.1@-61.48,2239.48